# KiCad board protoboard-6x4-breakout.kicad_pcb (continued)
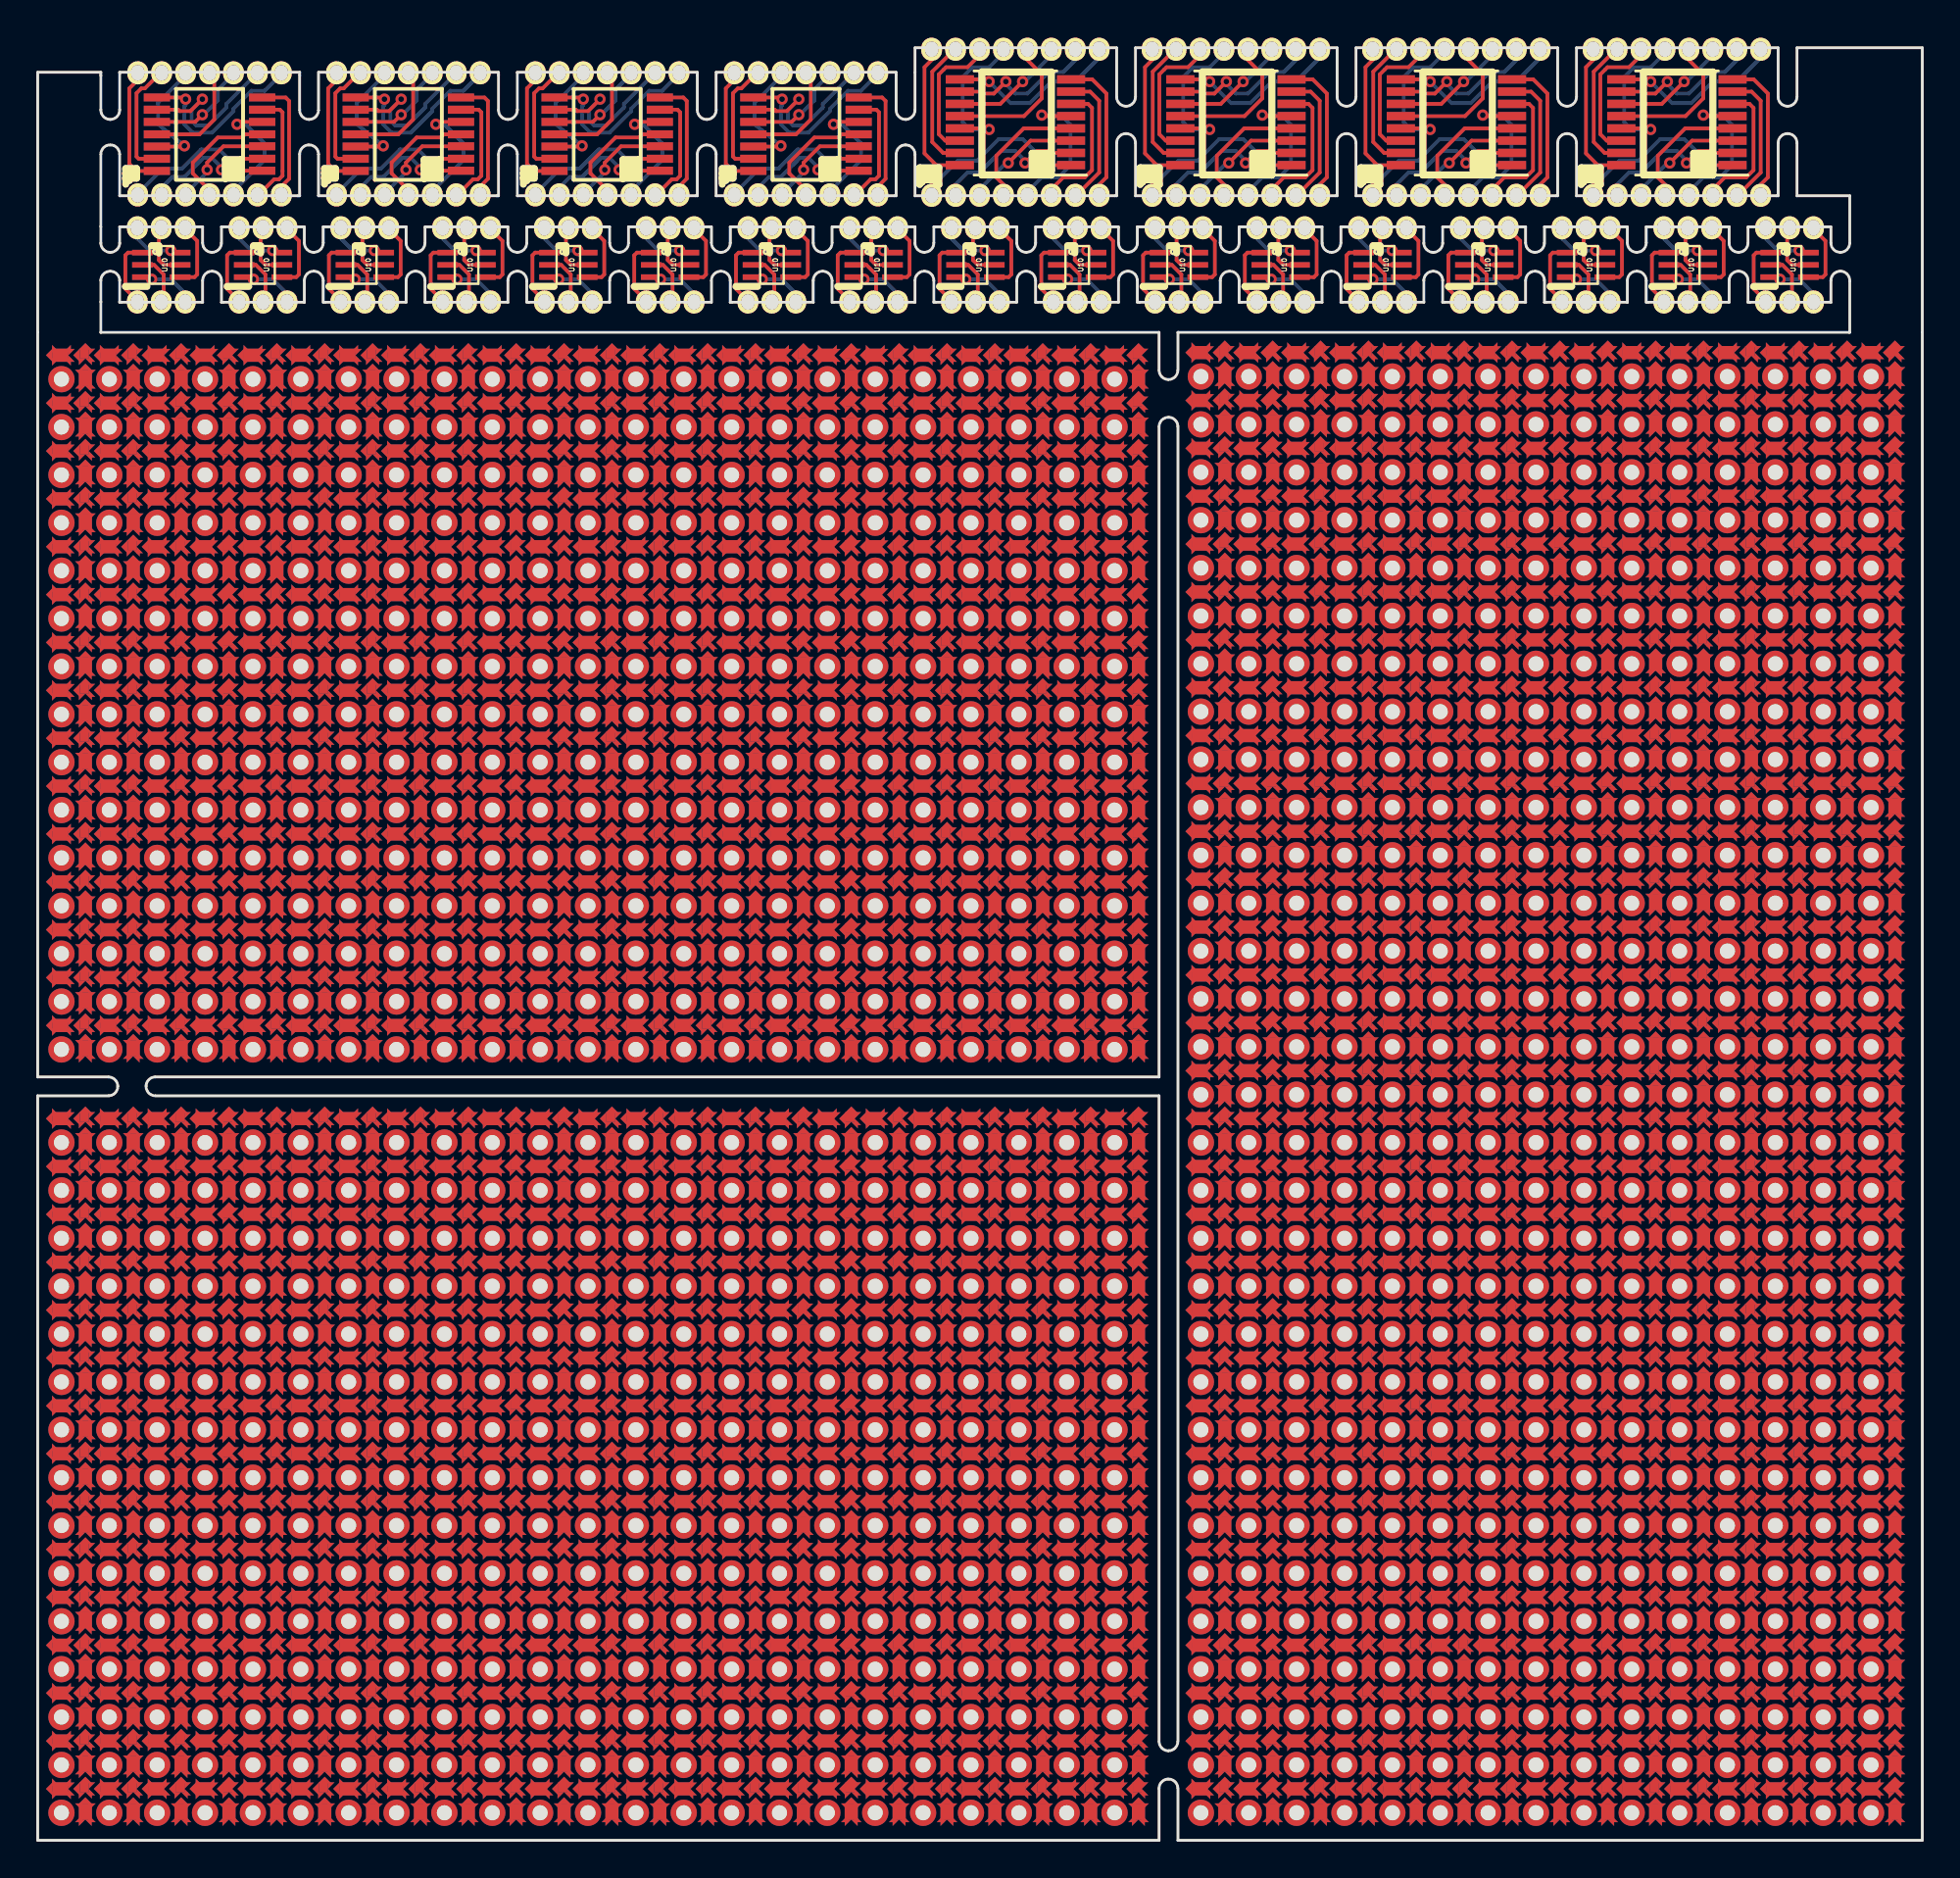
[diagram p0: board, top side]
## Placement (name value [footprint] x y rotation side) (continued)
REF**#2894  pad-between  [pad-between-spiked]  88.39 9.08 0 top
REF**#2895  pad-between  [pad-between-spiked]  89.66 7.81 90 top
REF**#2896  pad-between  [pad-between-spiked]  90.93 9.08 0 top
REF**#2897  pad-between  [pad-between-spiked]  90.93 6.54 0 top
REF**#2898  center-pad  [center-pad-spikes]  90.93 7.81 0 top
REF**#2899  center-pad  [center-pad-spikes]  90.93 10.35 0 top
REF**#2900  pad-between  [pad-between-spiked]  89.66 10.35 90 top
REF**#2901  center-pad  [center-pad-spikes]  88.39 10.35 0 top
REF**#2902  center-pad  [center-pad-spikes]  85.85 10.35 0 top
REF**#2903  pad-between  [pad-between-spiked]  87.12 10.35 90 top
REF**#2904  pad-between  [pad-between-spiked]  84.58 10.35 90 top
REF**#2905  pad-between  [pad-between-spiked]  76.96 10.35 90 top
REF**#2906  pad-between  [pad-between-spiked]  79.5 10.35 90 top
REF**#2907  center-pad  [center-pad-spikes]  78.23 10.35 0 top
REF**#2908  center-pad  [center-pad-spikes]  80.77 10.35 0 top
REF**#2909  pad-between  [pad-between-spiked]  82.04 10.35 90 top
REF**#2910  center-pad  [center-pad-spikes]  83.31 10.35 0 top
REF**#2911  center-pad  [center-pad-spikes]  83.31 7.81 0 top
REF**#2912  pad-between  [pad-between-spiked]  83.31 6.54 0 top
REF**#2913  pad-between  [pad-between-spiked]  83.31 9.08 0 top
REF**#2914  pad-between  [pad-between-spiked]  82.04 7.81 90 top
REF**#2915  pad-between  [pad-between-spiked]  80.77 9.08 0 top
REF**#2916  pad-between  [pad-between-spiked]  80.77 6.54 0 top
REF**#2917  center-pad  [center-pad-spikes]  80.77 7.81 0 top
REF**#2918  center-pad  [center-pad-spikes]  78.23 7.81 0 top
REF**#2919  pad-between  [pad-between-spiked]  78.23 6.54 0 top
REF**#2920  pad-between  [pad-between-spiked]  78.23 9.08 0 top
REF**#2921  pad-between  [pad-between-spiked]  79.5 7.81 90 top
REF**#2922  pad-between  [pad-between-spiked]  76.96 7.81 90 top
REF**#2923  -  [tht-0.8]  82.04 9.08 0 top
REF**#2924  -  [tht-0.8]  79.5 9.08 0 top
REF**#2925  -  [tht-0.8]  76.96 9.08 0 top
REF**#2926  -  [tht-0.8]  76.96 6.54 0 top
REF**#2927  -  [tht-0.8]  79.5 6.54 0 top
REF**#2928  -  [tht-0.8]  82.04 6.54 0 top
REF**#2929  -  [tht-0.8]  74.42 6.54 0 top
REF**#2930  -  [tht-0.8]  71.88 6.54 0 top
REF**#2931  -  [tht-0.8]  69.34 6.54 0 top
REF**#2932  -  [tht-0.8]  69.34 9.08 0 top
REF**#2933  -  [tht-0.8]  71.88 9.08 0 top
REF**#2934  -  [tht-0.8]  74.42 9.08 0 top
REF**#2935  pad-between  [pad-between-spiked]  69.34 7.81 90 top
REF**#2936  pad-between  [pad-between-spiked]  71.88 7.81 90 top
REF**#2937  pad-between  [pad-between-spiked]  70.61 9.08 0 top
REF**#2938  pad-between  [pad-between-spiked]  70.61 6.54 0 top
REF**#2939  center-pad  [center-pad-spikes]  70.61 7.81 0 top
REF**#2940  center-pad  [center-pad-spikes]  73.15 7.81 0 top
REF**#2941  pad-between  [pad-between-spiked]  73.15 6.54 0 top
REF**#2942  pad-between  [pad-between-spiked]  73.15 9.08 0 top
REF**#2943  pad-between  [pad-between-spiked]  74.42 7.81 90 top
REF**#2944  pad-between  [pad-between-spiked]  75.69 9.08 0 top
REF**#2945  pad-between  [pad-between-spiked]  75.69 6.54 0 top
REF**#2946  center-pad  [center-pad-spikes]  75.69 7.81 0 top
REF**#2947  center-pad  [center-pad-spikes]  75.69 10.35 0 top
REF**#2948  pad-between  [pad-between-spiked]  74.42 10.35 90 top
REF**#2949  center-pad  [center-pad-spikes]  73.15 10.35 0 top
REF**#2950  center-pad  [center-pad-spikes]  70.61 10.35 0 top
REF**#2951  pad-between  [pad-between-spiked]  71.88 10.35 90 top
REF**#2952  pad-between  [pad-between-spiked]  69.34 10.35 90 top
REF**#2953  pad-between  [pad-between-spiked]  61.72 10.35 90 top
REF**#2954  pad-between  [pad-between-spiked]  64.26 10.35 90 top
REF**#2955  center-pad  [center-pad-spikes]  62.99 10.35 0 top
REF**#2956  center-pad  [center-pad-spikes]  65.53 10.35 0 top
REF**#2957  pad-between  [pad-between-spiked]  66.8 10.35 90 top
REF**#2958  center-pad  [center-pad-spikes]  68.07 10.35 0 top
REF**#2959  center-pad  [center-pad-spikes]  68.07 7.81 0 top
REF**#2960  pad-between  [pad-between-spiked]  68.07 6.54 0 top
REF**#2961  pad-between  [pad-between-spiked]  68.07 9.08 0 top
REF**#2962  pad-between  [pad-between-spiked]  66.8 7.81 90 top
REF**#2963  pad-between  [pad-between-spiked]  65.53 9.08 0 top
REF**#2964  pad-between  [pad-between-spiked]  65.53 6.54 0 top
REF**#2965  center-pad  [center-pad-spikes]  65.53 7.81 0 top
REF**#2966  center-pad  [center-pad-spikes]  62.99 7.81 0 top
REF**#2967  pad-between  [pad-between-spiked]  62.99 6.54 0 top
REF**#2968  pad-between  [pad-between-spiked]  62.99 9.08 0 top
REF**#2969  pad-between  [pad-between-spiked]  64.26 7.81 90 top
REF**#2970  pad-between  [pad-between-spiked]  61.72 7.81 90 top
REF**#2971  -  [tht-0.8]  66.8 9.08 0 top
REF**#2972  -  [tht-0.8]  64.26 9.08 0 top
REF**#2973  -  [tht-0.8]  61.72 9.08 0 top
REF**#2974  -  [tht-0.8]  61.72 6.54 0 top
REF**#2975  -  [tht-0.8]  64.26 6.54 0 top
REF**#2976  -  [tht-0.8]  66.8 6.54 0 top
REF**#2977  -  [tht-0.8]  97.28 6.54 0 top
REF**#2978  -  [tht-0.8]  94.74 6.54 0 top
REF**#2979  -  [tht-0.8]  92.2 6.54 0 top
REF**#2980  -  [tht-0.8]  92.2 9.08 0 top
REF**#2981  -  [tht-0.8]  94.74 9.08 0 top
REF**#2982  -  [tht-0.8]  97.28 9.08 0 top
REF**#2983  pad-between  [pad-between-spiked]  92.2 7.81 90 top
REF**#2984  pad-between  [pad-between-spiked]  94.74 7.81 90 top
REF**#2985  pad-between  [pad-between-spiked]  93.47 9.08 0 top
REF**#2986  pad-between  [pad-between-spiked]  93.47 6.54 0 top
REF**#2987  center-pad  [center-pad-spikes]  93.47 7.81 0 top
REF**#2988  center-pad  [center-pad-spikes]  96.01 7.81 0 top
REF**#2989  pad-between  [pad-between-spiked]  96.01 6.54 0 top
REF**#2990  pad-between  [pad-between-spiked]  96.01 9.08 0 top
REF**#2991  pad-between  [pad-between-spiked]  97.28 7.81 90 top
REF**#2992  pad-between  [pad-between-spiked]  98.55 9.08 0 top
REF**#2993  pad-between  [pad-between-spiked]  98.55 6.54 0 top
REF**#2994  center-pad  [center-pad-spikes]  98.55 7.81 0 top
REF**#2995  center-pad  [center-pad-spikes]  98.55 10.35 0 top
REF**#2996  pad-between  [pad-between-spiked]  97.28 10.35 90 top
REF**#2997  center-pad  [center-pad-spikes]  96.01 10.35 0 top
REF**#2998  center-pad  [center-pad-spikes]  93.47 10.35 0 top
REF**#2999  pad-between  [pad-between-spiked]  94.74 10.35 90 top
REF**#3000  pad-between  [pad-between-spiked]  92.2 10.35 90 top
REF**#3001  pad-between  [pad-between-spiked]  92.2 20.51 90 top
REF**#3002  pad-between  [pad-between-spiked]  94.74 20.51 90 top
REF**#3003  center-pad  [center-pad-spikes]  93.47 20.51 0 top
REF**#3004  center-pad  [center-pad-spikes]  96.01 20.51 0 top
REF**#3005  pad-between  [pad-between-spiked]  97.28 20.51 90 top
REF**#3006  center-pad  [center-pad-spikes]  98.55 20.51 0 top
REF**#3007  center-pad  [center-pad-spikes]  98.55 17.97 0 top
REF**#3008  pad-between  [pad-between-spiked]  98.55 16.7 0 top
REF**#3009  pad-between  [pad-between-spiked]  98.55 19.24 0 top
REF**#3010  pad-between  [pad-between-spiked]  97.28 17.97 90 top
REF**#3011  pad-between  [pad-between-spiked]  96.01 19.24 0 top
REF**#3012  pad-between  [pad-between-spiked]  96.01 16.7 0 top
REF**#3013  center-pad  [center-pad-spikes]  96.01 17.97 0 top
REF**#3014  center-pad  [center-pad-spikes]  93.47 17.97 0 top
REF**#3015  pad-between  [pad-between-spiked]  93.47 16.7 0 top
REF**#3016  pad-between  [pad-between-spiked]  93.47 19.24 0 top
REF**#3017  pad-between  [pad-between-spiked]  94.74 17.97 90 top
REF**#3018  pad-between  [pad-between-spiked]  92.2 17.97 90 top
REF**#3019  -  [tht-0.8]  97.28 19.24 0 top
REF**#3020  -  [tht-0.8]  94.74 19.24 0 top
REF**#3021  -  [tht-0.8]  92.2 19.24 0 top
REF**#3022  -  [tht-0.8]  92.2 16.7 0 top
REF**#3023  -  [tht-0.8]  94.74 16.7 0 top
REF**#3024  -  [tht-0.8]  97.28 16.7 0 top
REF**#3025  -  [tht-0.8]  66.8 16.7 0 top
REF**#3026  -  [tht-0.8]  64.26 16.7 0 top
REF**#3027  -  [tht-0.8]  61.72 16.7 0 top
REF**#3028  -  [tht-0.8]  61.72 19.24 0 top
REF**#3029  -  [tht-0.8]  64.26 19.24 0 top
REF**#3030  -  [tht-0.8]  66.8 19.24 0 top
REF**#3031  pad-between  [pad-between-spiked]  61.72 17.97 90 top
REF**#3032  pad-between  [pad-between-spiked]  64.26 17.97 90 top
REF**#3033  pad-between  [pad-between-spiked]  62.99 19.24 0 top
REF**#3034  pad-between  [pad-between-spiked]  62.99 16.7 0 top
REF**#3035  center-pad  [center-pad-spikes]  62.99 17.97 0 top
REF**#3036  center-pad  [center-pad-spikes]  65.53 17.97 0 top
REF**#3037  pad-between  [pad-between-spiked]  65.53 16.7 0 top
REF**#3038  pad-between  [pad-between-spiked]  65.53 19.24 0 top
REF**#3039  pad-between  [pad-between-spiked]  66.8 17.97 90 top
REF**#3040  pad-between  [pad-between-spiked]  68.07 19.24 0 top
REF**#3041  pad-between  [pad-between-spiked]  68.07 16.7 0 top
REF**#3042  center-pad  [center-pad-spikes]  68.07 17.97 0 top
REF**#3043  center-pad  [center-pad-spikes]  68.07 20.51 0 top
REF**#3044  pad-between  [pad-between-spiked]  66.8 20.51 90 top
REF**#3045  center-pad  [center-pad-spikes]  65.53 20.51 0 top
REF**#3046  center-pad  [center-pad-spikes]  62.99 20.51 0 top
REF**#3047  pad-between  [pad-between-spiked]  64.26 20.51 90 top
REF**#3048  pad-between  [pad-between-spiked]  61.72 20.51 90 top
REF**#3049  pad-between  [pad-between-spiked]  69.34 20.51 90 top
REF**#3050  pad-between  [pad-between-spiked]  71.88 20.51 90 top
REF**#3051  center-pad  [center-pad-spikes]  70.61 20.51 0 top
REF**#3052  center-pad  [center-pad-spikes]  73.15 20.51 0 top
REF**#3053  pad-between  [pad-between-spiked]  74.42 20.51 90 top
REF**#3054  center-pad  [center-pad-spikes]  75.69 20.51 0 top
REF**#3055  center-pad  [center-pad-spikes]  75.69 17.97 0 top
REF**#3056  pad-between  [pad-between-spiked]  75.69 16.7 0 top
REF**#3057  pad-between  [pad-between-spiked]  75.69 19.24 0 top
REF**#3058  pad-between  [pad-between-spiked]  74.42 17.97 90 top
REF**#3059  pad-between  [pad-between-spiked]  73.15 19.24 0 top
REF**#3060  pad-between  [pad-between-spiked]  73.15 16.7 0 top
REF**#3061  center-pad  [center-pad-spikes]  73.15 17.97 0 top
REF**#3062  center-pad  [center-pad-spikes]  70.61 17.97 0 top
REF**#3063  pad-between  [pad-between-spiked]  70.61 16.7 0 top
REF**#3064  pad-between  [pad-between-spiked]  70.61 19.24 0 top
REF**#3065  pad-between  [pad-between-spiked]  71.88 17.97 90 top
REF**#3066  pad-between  [pad-between-spiked]  69.34 17.97 90 top
REF**#3067  -  [tht-0.8]  74.42 19.24 0 top
REF**#3068  -  [tht-0.8]  71.88 19.24 0 top
REF**#3069  -  [tht-0.8]  69.34 19.24 0 top
REF**#3070  -  [tht-0.8]  69.34 16.7 0 top
REF**#3071  -  [tht-0.8]  71.88 16.7 0 top
REF**#3072  -  [tht-0.8]  74.42 16.7 0 top
REF**#3073  -  [tht-0.8]  82.04 16.7 0 top
REF**#3074  -  [tht-0.8]  79.5 16.7 0 top
REF**#3075  -  [tht-0.8]  76.96 16.7 0 top
REF**#3076  -  [tht-0.8]  76.96 19.24 0 top
REF**#3077  -  [tht-0.8]  79.5 19.24 0 top
REF**#3078  -  [tht-0.8]  82.04 19.24 0 top
REF**#3079  pad-between  [pad-between-spiked]  76.96 17.97 90 top
REF**#3080  pad-between  [pad-between-spiked]  79.5 17.97 90 top
REF**#3081  pad-between  [pad-between-spiked]  78.23 19.24 0 top
REF**#3082  pad-between  [pad-between-spiked]  78.23 16.7 0 top
REF**#3083  center-pad  [center-pad-spikes]  78.23 17.97 0 top
REF**#3084  center-pad  [center-pad-spikes]  80.77 17.97 0 top
REF**#3085  pad-between  [pad-between-spiked]  80.77 16.7 0 top
REF**#3086  pad-between  [pad-between-spiked]  80.77 19.24 0 top
REF**#3087  pad-between  [pad-between-spiked]  82.04 17.97 90 top
REF**#3088  pad-between  [pad-between-spiked]  83.31 19.24 0 top
REF**#3089  pad-between  [pad-between-spiked]  83.31 16.7 0 top
REF**#3090  center-pad  [center-pad-spikes]  83.31 17.97 0 top
REF**#3091  center-pad  [center-pad-spikes]  83.31 20.51 0 top
REF**#3092  pad-between  [pad-between-spiked]  82.04 20.51 90 top
REF**#3093  center-pad  [center-pad-spikes]  80.77 20.51 0 top
REF**#3094  center-pad  [center-pad-spikes]  78.23 20.51 0 top
REF**#3095  pad-between  [pad-between-spiked]  79.5 20.51 90 top
REF**#3096  pad-between  [pad-between-spiked]  76.96 20.51 90 top
REF**#3097  pad-between  [pad-between-spiked]  84.58 20.51 90 top
REF**#3098  pad-between  [pad-between-spiked]  87.12 20.51 90 top
REF**#3099  center-pad  [center-pad-spikes]  85.85 20.51 0 top
REF**#3100  center-pad  [center-pad-spikes]  88.39 20.51 0 top
REF**#3101  pad-between  [pad-between-spiked]  89.66 20.51 90 top
REF**#3102  center-pad  [center-pad-spikes]  90.93 20.51 0 top
REF**#3103  center-pad  [center-pad-spikes]  90.93 17.97 0 top
REF**#3104  pad-between  [pad-between-spiked]  90.93 16.7 0 top
REF**#3105  pad-between  [pad-between-spiked]  90.93 19.24 0 top
REF**#3106  pad-between  [pad-between-spiked]  89.66 17.97 90 top
REF**#3107  pad-between  [pad-between-spiked]  88.39 19.24 0 top
REF**#3108  pad-between  [pad-between-spiked]  88.39 16.7 0 top
REF**#3109  center-pad  [center-pad-spikes]  88.39 17.97 0 top
REF**#3110  center-pad  [center-pad-spikes]  85.85 17.97 0 top
REF**#3111  pad-between  [pad-between-spiked]  85.85 16.7 0 top
REF**#3112  pad-between  [pad-between-spiked]  85.85 19.24 0 top
REF**#3113  pad-between  [pad-between-spiked]  87.12 17.97 90 top
REF**#3114  pad-between  [pad-between-spiked]  84.58 17.97 90 top
REF**#3115  -  [tht-0.8]  89.66 19.24 0 top
REF**#3116  -  [tht-0.8]  87.12 19.24 0 top
REF**#3117  -  [tht-0.8]  84.58 19.24 0 top
REF**#3118  -  [tht-0.8]  84.58 16.7 0 top
REF**#3119  -  [tht-0.8]  87.12 16.7 0 top
REF**#3120  -  [tht-0.8]  89.66 16.7 0 top
REF**#3121  -  [tht-0.8]  89.66 11.62 0 top
REF**#3122  -  [tht-0.8]  87.12 11.62 0 top
REF**#3123  -  [tht-0.8]  84.58 11.62 0 top
REF**#3124  -  [tht-0.8]  84.58 14.16 0 top
REF**#3125  -  [tht-0.8]  87.12 14.16 0 top
REF**#3126  -  [tht-0.8]  89.66 14.16 0 top
REF**#3127  pad-between  [pad-between-spiked]  84.58 12.89 90 top
REF**#3128  pad-between  [pad-between-spiked]  87.12 12.89 90 top
REF**#3129  pad-between  [pad-between-spiked]  85.85 14.16 0 top
REF**#3130  pad-between  [pad-between-spiked]  85.85 11.62 0 top
REF**#3131  center-pad  [center-pad-spikes]  85.85 12.89 0 top
REF**#3132  center-pad  [center-pad-spikes]  88.39 12.89 0 top
REF**#3133  pad-between  [pad-between-spiked]  88.39 11.62 0 top
REF**#3134  pad-between  [pad-between-spiked]  88.39 14.16 0 top
REF**#3135  pad-between  [pad-between-spiked]  89.66 12.89 90 top
REF**#3136  pad-between  [pad-between-spiked]  90.93 14.16 0 top
REF**#3137  pad-between  [pad-between-spiked]  90.93 11.62 0 top
REF**#3138  center-pad  [center-pad-spikes]  90.93 12.89 0 top
REF**#3139  center-pad  [center-pad-spikes]  90.93 15.43 0 top
REF**#3140  pad-between  [pad-between-spiked]  89.66 15.43 90 top
REF**#3141  center-pad  [center-pad-spikes]  88.39 15.43 0 top
REF**#3142  center-pad  [center-pad-spikes]  85.85 15.43 0 top
REF**#3143  pad-between  [pad-between-spiked]  87.12 15.43 90 top
REF**#3144  pad-between  [pad-between-spiked]  84.58 15.43 90 top
REF**#3145  pad-between  [pad-between-spiked]  76.96 15.43 90 top
REF**#3146  pad-between  [pad-between-spiked]  79.5 15.43 90 top
REF**#3147  center-pad  [center-pad-spikes]  78.23 15.43 0 top
REF**#3148  center-pad  [center-pad-spikes]  80.77 15.43 0 top
REF**#3149  pad-between  [pad-between-spiked]  82.04 15.43 90 top
REF**#3150  center-pad  [center-pad-spikes]  83.31 15.43 0 top
REF**#3151  center-pad  [center-pad-spikes]  83.31 12.89 0 top
REF**#3152  pad-between  [pad-between-spiked]  83.31 11.62 0 top
REF**#3153  pad-between  [pad-between-spiked]  83.31 14.16 0 top
REF**#3154  pad-between  [pad-between-spiked]  82.04 12.89 90 top
REF**#3155  pad-between  [pad-between-spiked]  80.77 14.16 0 top
REF**#3156  pad-between  [pad-between-spiked]  80.77 11.62 0 top
REF**#3157  center-pad  [center-pad-spikes]  80.77 12.89 0 top
REF**#3158  center-pad  [center-pad-spikes]  78.23 12.89 0 top
REF**#3159  pad-between  [pad-between-spiked]  78.23 11.62 0 top
REF**#3160  pad-between  [pad-between-spiked]  78.23 14.16 0 top
REF**#3161  pad-between  [pad-between-spiked]  79.5 12.89 90 top
REF**#3162  pad-between  [pad-between-spiked]  76.96 12.89 90 top
REF**#3163  -  [tht-0.8]  82.04 14.16 0 top
REF**#3164  -  [tht-0.8]  79.5 14.16 0 top
REF**#3165  -  [tht-0.8]  76.96 14.16 0 top
REF**#3166  -  [tht-0.8]  76.96 11.62 0 top
REF**#3167  -  [tht-0.8]  79.5 11.62 0 top
REF**#3168  -  [tht-0.8]  82.04 11.62 0 top
REF**#3169  -  [tht-0.8]  74.42 11.62 0 top
REF**#3170  -  [tht-0.8]  71.88 11.62 0 top
REF**#3171  -  [tht-0.8]  69.34 11.62 0 top
REF**#3172  -  [tht-0.8]  69.34 14.16 0 top
REF**#3173  -  [tht-0.8]  71.88 14.16 0 top
REF**#3174  -  [tht-0.8]  74.42 14.16 0 top
REF**#3175  pad-between  [pad-between-spiked]  69.34 12.89 90 top
REF**#3176  pad-between  [pad-between-spiked]  71.88 12.89 90 top
REF**#3177  pad-between  [pad-between-spiked]  70.61 14.16 0 top
REF**#3178  pad-between  [pad-between-spiked]  70.61 11.62 0 top
REF**#3179  center-pad  [center-pad-spikes]  70.61 12.89 0 top
REF**#3180  center-pad  [center-pad-spikes]  73.15 12.89 0 top
REF**#3181  pad-between  [pad-between-spiked]  73.15 11.62 0 top
REF**#3182  pad-between  [pad-between-spiked]  73.15 14.16 0 top
REF**#3183  pad-between  [pad-between-spiked]  74.42 12.89 90 top
REF**#3184  pad-between  [pad-between-spiked]  75.69 14.16 0 top
REF**#3185  pad-between  [pad-between-spiked]  75.69 11.62 0 top
REF**#3186  center-pad  [center-pad-spikes]  75.69 12.89 0 top
REF**#3187  center-pad  [center-pad-spikes]  75.69 15.43 0 top
REF**#3188  pad-between  [pad-between-spiked]  74.42 15.43 90 top
REF**#3189  center-pad  [center-pad-spikes]  73.15 15.43 0 top
REF**#3190  center-pad  [center-pad-spikes]  70.61 15.43 0 top
REF**#3191  pad-between  [pad-between-spiked]  71.88 15.43 90 top
REF**#3192  pad-between  [pad-between-spiked]  69.34 15.43 90 top
REF**#3193  pad-between  [pad-between-spiked]  61.72 15.43 90 top
REF**#3194  pad-between  [pad-between-spiked]  64.26 15.43 90 top
REF**#3195  center-pad  [center-pad-spikes]  62.99 15.43 0 top
REF**#3196  center-pad  [center-pad-spikes]  65.53 15.43 0 top
REF**#3197  pad-between  [pad-between-spiked]  66.8 15.43 90 top
REF**#3198  center-pad  [center-pad-spikes]  68.07 15.43 0 top
REF**#3199  center-pad  [center-pad-spikes]  68.07 12.89 0 top
REF**#3200  pad-between  [pad-between-spiked]  68.07 11.62 0 top
REF**#3201  pad-between  [pad-between-spiked]  68.07 14.16 0 top
REF**#3202  pad-between  [pad-between-spiked]  66.8 12.89 90 top
REF**#3203  pad-between  [pad-between-spiked]  65.53 14.16 0 top
REF**#3204  pad-between  [pad-between-spiked]  65.53 11.62 0 top
REF**#3205  center-pad  [center-pad-spikes]  65.53 12.89 0 top
REF**#3206  center-pad  [center-pad-spikes]  62.99 12.89 0 top
REF**#3207  pad-between  [pad-between-spiked]  62.99 11.62 0 top
REF**#3208  pad-between  [pad-between-spiked]  62.99 14.16 0 top
REF**#3209  pad-between  [pad-between-spiked]  64.26 12.89 90 top
REF**#3210  pad-between  [pad-between-spiked]  61.72 12.89 90 top
REF**#3211  -  [tht-0.8]  66.8 14.16 0 top
REF**#3212  -  [tht-0.8]  64.26 14.16 0 top
REF**#3213  -  [tht-0.8]  61.72 14.16 0 top
REF**#3214  -  [tht-0.8]  61.72 11.62 0 top
REF**#3215  -  [tht-0.8]  64.26 11.62 0 top
REF**#3216  -  [tht-0.8]  66.8 11.62 0 top
REF**#3217  -  [tht-0.8]  97.28 11.62 0 top
REF**#3218  -  [tht-0.8]  94.74 11.62 0 top
REF**#3219  -  [tht-0.8]  92.2 11.62 0 top
REF**#3220  -  [tht-0.8]  92.2 14.16 0 top
REF**#3221  -  [tht-0.8]  94.74 14.16 0 top
REF**#3222  -  [tht-0.8]  97.28 14.16 0 top
REF**#3223  pad-between  [pad-between-spiked]  92.2 12.89 90 top
REF**#3224  pad-between  [pad-between-spiked]  94.74 12.89 90 top
REF**#3225  pad-between  [pad-between-spiked]  93.47 14.16 0 top
REF**#3226  pad-between  [pad-between-spiked]  93.47 11.62 0 top
REF**#3227  center-pad  [center-pad-spikes]  93.47 12.89 0 top
REF**#3228  center-pad  [center-pad-spikes]  96.01 12.89 0 top
REF**#3229  pad-between  [pad-between-spiked]  96.01 11.62 0 top
REF**#3230  pad-between  [pad-between-spiked]  96.01 14.16 0 top
REF**#3231  pad-between  [pad-between-spiked]  97.28 12.89 90 top
REF**#3232  pad-between  [pad-between-spiked]  98.55 14.16 0 top
REF**#3233  pad-between  [pad-between-spiked]  98.55 11.62 0 top
REF**#3234  center-pad  [center-pad-spikes]  98.55 12.89 0 top
REF**#3235  center-pad  [center-pad-spikes]  98.55 15.43 0 top
REF**#3236  pad-between  [pad-between-spiked]  97.28 15.43 90 top
REF**#3237  center-pad  [center-pad-spikes]  96.01 15.43 0 top
REF**#3238  center-pad  [center-pad-spikes]  93.47 15.43 0 top
REF**#3239  pad-between  [pad-between-spiked]  94.74 15.43 90 top
REF**#3240  pad-between  [pad-between-spiked]  92.2 15.43 90 top
REF**#3241  pad-between  [pad-between-spiked]  92.2 35.75 90 top
REF**#3242  pad-between  [pad-between-spiked]  94.74 35.75 90 top
REF**#3243  center-pad  [center-pad-spikes]  93.47 35.75 0 top
REF**#3244  center-pad  [center-pad-spikes]  96.01 35.75 0 top
REF**#3245  pad-between  [pad-between-spiked]  97.28 35.75 90 top
REF**#3246  center-pad  [center-pad-spikes]  98.55 35.75 0 top
REF**#3247  center-pad  [center-pad-spikes]  98.55 33.21 0 top
REF**#3248  pad-between  [pad-between-spiked]  98.55 31.94 0 top
REF**#3249  pad-between  [pad-between-spiked]  98.55 34.48 0 top
REF**#3250  pad-between  [pad-between-spiked]  97.28 33.21 90 top
REF**#3251  pad-between  [pad-between-spiked]  96.01 34.48 0 top
REF**#3252  pad-between  [pad-between-spiked]  96.01 31.94 0 top
REF**#3253  center-pad  [center-pad-spikes]  96.01 33.21 0 top
REF**#3254  center-pad  [center-pad-spikes]  93.47 33.21 0 top
REF**#3255  pad-between  [pad-between-spiked]  93.47 31.94 0 top
REF**#3256  pad-between  [pad-between-spiked]  93.47 34.48 0 top
REF**#3257  pad-between  [pad-between-spiked]  94.74 33.21 90 top
REF**#3258  pad-between  [pad-between-spiked]  92.2 33.21 90 top
REF**#3259  -  [tht-0.8]  97.28 34.48 0 top
REF**#3260  -  [tht-0.8]  94.74 34.48 0 top
REF**#3261  -  [tht-0.8]  92.2 34.48 0 top
REF**#3262  -  [tht-0.8]  92.2 31.94 0 top
REF**#3263  -  [tht-0.8]  94.74 31.94 0 top
REF**#3264  -  [tht-0.8]  97.28 31.94 0 top
REF**#3265  -  [tht-0.8]  66.8 31.94 0 top
REF**#3266  -  [tht-0.8]  64.26 31.94 0 top
REF**#3267  -  [tht-0.8]  61.72 31.94 0 top
REF**#3268  -  [tht-0.8]  61.72 34.48 0 top
REF**#3269  -  [tht-0.8]  64.26 34.48 0 top
REF**#3270  -  [tht-0.8]  66.8 34.48 0 top
REF**#3271  pad-between  [pad-between-spiked]  61.72 33.21 90 top
REF**#3272  pad-between  [pad-between-spiked]  64.26 33.21 90 top
REF**#3273  pad-between  [pad-between-spiked]  62.99 34.48 0 top
REF**#3274  pad-between  [pad-between-spiked]  62.99 31.94 0 top
REF**#3275  center-pad  [center-pad-spikes]  62.99 33.21 0 top
REF**#3276  center-pad  [center-pad-spikes]  65.53 33.21 0 top
REF**#3277  pad-between  [pad-between-spiked]  65.53 31.94 0 top
REF**#3278  pad-between  [pad-between-spiked]  65.53 34.48 0 top
REF**#3279  pad-between  [pad-between-spiked]  66.8 33.21 90 top
REF**#3280  pad-between  [pad-between-spiked]  68.07 34.48 0 top
REF**#3281  pad-between  [pad-between-spiked]  68.07 31.94 0 top
REF**#3282  center-pad  [center-pad-spikes]  68.07 33.21 0 top
REF**#3283  center-pad  [center-pad-spikes]  68.07 35.75 0 top
REF**#3284  pad-between  [pad-between-spiked]  66.8 35.75 90 top
REF**#3285  center-pad  [center-pad-spikes]  65.53 35.75 0 top
REF**#3286  center-pad  [center-pad-spikes]  62.99 35.75 0 top
REF**#3287  pad-between  [pad-between-spiked]  64.26 35.75 90 top
REF**#3288  pad-between  [pad-between-spiked]  61.72 35.75 90 top
REF**#3289  pad-between  [pad-between-spiked]  69.34 35.75 90 top
REF**#3290  pad-between  [pad-between-spiked]  71.88 35.75 90 top
REF**#3291  center-pad  [center-pad-spikes]  70.61 35.75 0 top
REF**#3292  center-pad  [center-pad-spikes]  73.15 35.75 0 top
REF**#3293  pad-between  [pad-between-spiked]  74.42 35.75 90 top
REF**#3294  center-pad  [center-pad-spikes]  75.69 35.75 0 top
REF**#3295  center-pad  [center-pad-spikes]  75.69 33.21 0 top
REF**#3296  pad-between  [pad-between-spiked]  75.69 31.94 0 top
REF**#3297  pad-between  [pad-between-spiked]  75.69 34.48 0 top
REF**#3298  pad-between  [pad-between-spiked]  74.42 33.21 90 top
REF**#3299  pad-between  [pad-between-spiked]  73.15 34.48 0 top
REF**#3300  pad-between  [pad-between-spiked]  73.15 31.94 0 top
REF**#3301  center-pad  [center-pad-spikes]  73.15 33.21 0 top
REF**#3302  center-pad  [center-pad-spikes]  70.61 33.21 0 top
REF**#3303  pad-between  [pad-between-spiked]  70.61 31.94 0 top
REF**#3304  pad-between  [pad-between-spiked]  70.61 34.48 0 top
REF**#3305  pad-between  [pad-between-spiked]  71.88 33.21 90 top
REF**#3306  pad-between  [pad-between-spiked]  69.34 33.21 90 top
REF**#3307  -  [tht-0.8]  74.42 34.48 0 top
REF**#3308  -  [tht-0.8]  71.88 34.48 0 top
REF**#3309  -  [tht-0.8]  69.34 34.48 0 top
REF**#3310  -  [tht-0.8]  69.34 31.94 0 top
REF**#3311  -  [tht-0.8]  71.88 31.94 0 top
REF**#3312  -  [tht-0.8]  74.42 31.94 0 top
REF**#3313  -  [tht-0.8]  82.04 31.94 0 top
REF**#3314  -  [tht-0.8]  79.5 31.94 0 top
REF**#3315  -  [tht-0.8]  76.96 31.94 0 top
